# KiCad board Env-F12TKL.kicad_pcb
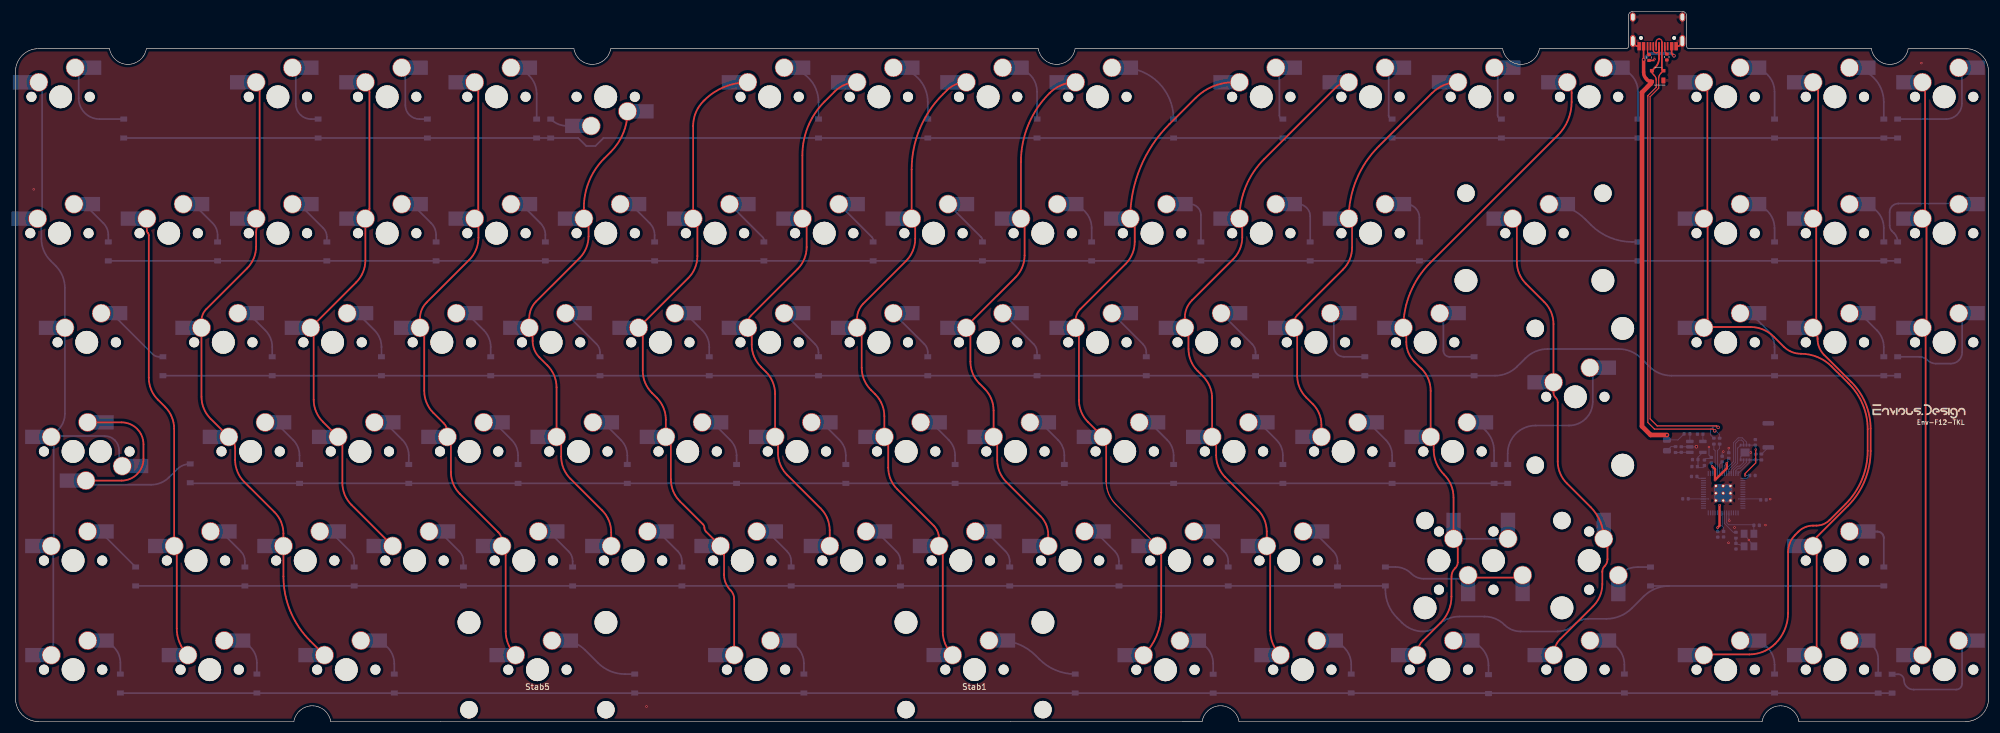
[diagram p0: board, top side]
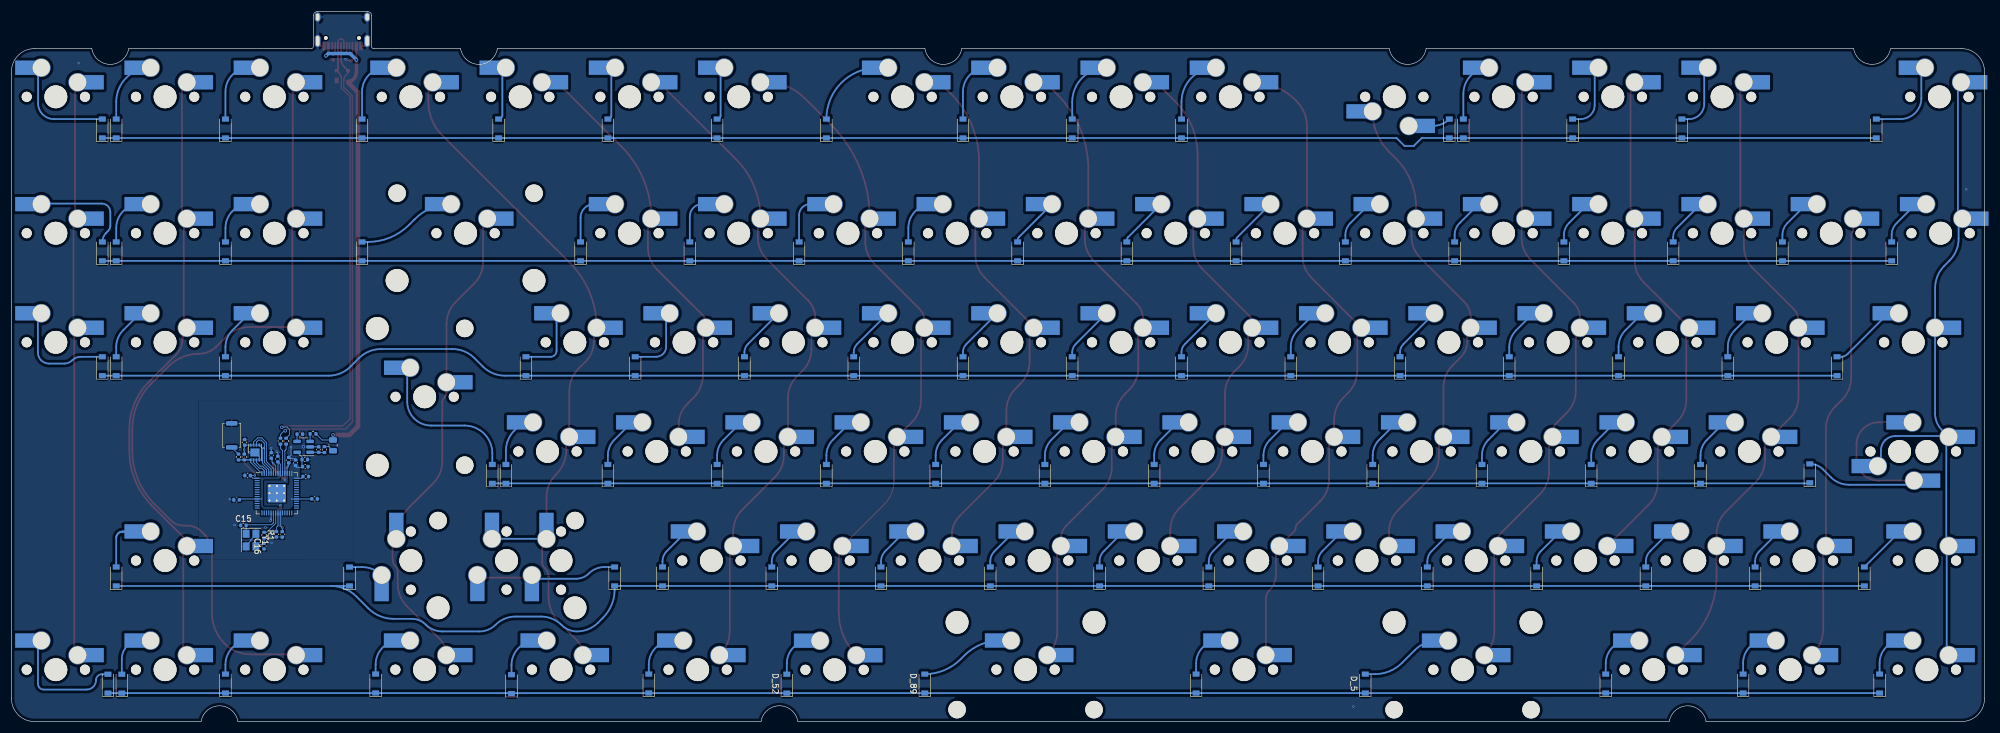
[diagram p1: board, bottom side, seen from below]

Outline 344 x 123.97 mm; copper layers: Top, Bottom. Coordinates in mm from the lower left corner of the outline.
Outline path: 281.21,123.21 arc(281.44,123.75) 281.97,123.97 290.61,123.97 ; 281.21,123.21 281.21,117.86 arc(281.1,117.6) 280.83,117.48 265.7,117.48 arc(262.49,114.73) 259.28,117.48 184.74,117.48 arc(181.53,114.73) 178.32,117.48 103.77,117.48 arc(100.56,114.73) 97.35,117.48 22.81,117.48 arc(19.6,114.73) 16.39,117.48 4.09,117.48 arc(1.17,116.31) 0,113.39 0,4 arc(1.17,1.17) 4,0 48.54,0 arc(51.75,2.75) 54.96,0 173.44,0 206.89,0 arc(210.1,2.75) 213.31,0 304.52,0 arc(307.73,2.75) 310.94,0 340,0 arc(342.83,1.17) 344,4 344,113.48 arc(342.83,116.31) 340,117.48 329.99,117.48 arc(326.78,114.73) 323.57,117.48 291.75,117.48 arc(291.48,117.6) 291.37,117.86 291.37,123.21 arc(291.15,123.75) 290.61,123.97
Stack: Top 0.035mm / dielectric 1.51mm FR4 er 4.5 / Bottom 0.035mm

## Placement (name value [footprint] x y rotation side)
C1  10uf 0402  [C_0402_1005Metric]  290.43 47.49 90 bottom
C2  100nf 0402  [C_0402_1005Metric]  296.78 32.68 270 bottom
C3  100nf 0402  [C_0402_1005Metric]  298.71 46.46 90 bottom
C4  100nf 0402  [C_0402_1005Metric]  292.76 44.51 180 bottom
C5  100nf 0402  [C_0402_1005Metric]  292.68 42.78 180 bottom
C6  100nf 0402  [C_0402_1005Metric]  297.56 45.83 90 bottom
C7  100nf 0402  [C_0402_1005Metric]  291.16 38.88 180 bottom
C8  100nf 0402  [C_0402_1005Metric]  304.76 38.7 0 bottom
C9  100nf 0402  [C_0402_1005Metric]  302.83 42.96 0 bottom
C10  100nf 0402  [C_0402_1005Metric]  297.81 32.71 270 bottom
C11  10uf 0402  [C_0402_1005Metric]  292.86 45.73 180 bottom
C12  1uf 0402  [C_0402_1005Metric]  294.46 45.18 90 bottom
C13  1uf 0402  [C_0402_1005Metric]  295.66 45.64 90 bottom
C14  100nf 0402  [C_0402_1005Metric]  303.34 48.74 90 bottom
C15  22pf 0402  [C_0402_1005Metric]  303.56 34.26 180 bottom
C16  22pf 0402  [C_0402_1005Metric]  299.96 30.61 90 bottom
CBP1  10uf 0402  [C_0402_1005Metric]  293.73 50.18 180 bottom
D18  PRTR5V0U2X  [SOT-143]  286.31 112.68 180 top
D_0  1N4148W  [D_SOD-123]  18.86 103.53 90 bottom
D_1  1N4148W  [D_SOD-123]  52.76 103.53 90 bottom
D_2  1N4148W  [D_SOD-123]  71.81 103.53 90 bottom
D_3  1N4148W  [D_SOD-123]  90.86 103.53 90 bottom
D_4  1N4148W  [D_SOD-123]  93.31 103.53 90 bottom
D_5  1N4148W  [D_SOD-123]  107.96 6.63 90 bottom
D_6  1N4148W  [D_SOD-123]  140 103.53 90 bottom
D_7  1N4148W  [D_SOD-123]  159.05 103.53 90 bottom
D_8  1N4148W  [D_SOD-123]  178.1 103.53 90 bottom
D_9  1N4148W  [D_SOD-123]  201.92 103.53 90 bottom
D_10  1N4148W  [D_SOD-123]  220.97 103.53 90 bottom
D_11  1N4148W  [D_SOD-123]  240.02 103.53 90 bottom
D_12  1N4148W  [D_SOD-123]  259.07 103.53 90 bottom
D_13  1N4148W  [D_SOD-123]  282.88 103.53 90 bottom
D_14  1N4148W  [D_SOD-123]  306.69 103.53 90 bottom
D_15  1N4148W  [D_SOD-123]  325.74 103.53 90 bottom
D_16  1N4148W  [D_SOD-123]  328.16 103.53 90 bottom
D_17  1N4148W  [D_SOD-123]  16.18 82.08 90 bottom
D_18  1N4148W  [D_SOD-123]  35.23 82.08 90 bottom
D_19  1N4148W  [D_SOD-123]  54.28 82.08 90 bottom
D_20  1N4148W  [D_SOD-123]  73.33 82.08 90 bottom
D_21  1N4148W  [D_SOD-123]  92.38 82.08 90 bottom
D_22  1N4148W  [D_SOD-123]  111.43 82.08 90 bottom
D_23  1N4148W  [D_SOD-123]  130.48 82.08 90 bottom
D_24  1N4148W  [D_SOD-123]  149.53 82.08 90 bottom
D_25  1N4148W  [D_SOD-123]  168.58 82.08 90 bottom
D_26  1N4148W  [D_SOD-123]  187.63 82.08 90 bottom
D_27  1N4148W  [D_SOD-123]  206.68 82.08 90 bottom
D_28  1N4148W  [D_SOD-123]  225.73 82.08 90 bottom
D_29  1N4148W  [D_SOD-123]  244.78 82.08 90 bottom
D_30  1N4148W  [D_SOD-123]  282.88 82.08 90 bottom
D_31  1N4148W  [D_SOD-123]  306.69 82.08 90 bottom
D_32  1N4148W  [D_SOD-123]  325.74 82.08 90 bottom
D_33  1N4148W  [D_SOD-123]  328.16 82.08 90 bottom
D_34  1N4148W  [D_SOD-123]  25.7 62.03 90 bottom
D_35  1N4148W  [D_SOD-123]  44.75 62.03 90 bottom
D_36  1N4148W  [D_SOD-123]  63.8 62.03 90 bottom
D_37  1N4148W  [D_SOD-123]  82.85 62.03 90 bottom
D_38  1N4148W  [D_SOD-123]  101.9 62.03 90 bottom
D_39  1N4148W  [D_SOD-123]  120.95 62.03 90 bottom
D_40  1N4148W  [D_SOD-123]  140 62.03 90 bottom
D_41  1N4148W  [D_SOD-123]  159.05 62.03 90 bottom
D_42  1N4148W  [D_SOD-123]  178.1 62.03 90 bottom
D_43  1N4148W  [D_SOD-123]  197.15 62.03 90 bottom
D_44  1N4148W  [D_SOD-123]  216.2 62.03 90 bottom
D_45  1N4148W  [D_SOD-123]  235.25 62.03 90 bottom
D_46  1N4148W  [D_SOD-123]  254.3 62.03 90 bottom
D_47  1N4148W  [D_SOD-123]  260.17 43.23 90 bottom
D_48  1N4148W  [D_SOD-123]  306.69 62.03 90 bottom
D_49  1N4148W  [D_SOD-123]  325.74 62.03 90 bottom
D_50  1N4148W  [D_SOD-123]  328.16 62.03 90 bottom
D_51  1N4148W  [D_SOD-123]  30.46 43.33 90 bottom
D_52  1N4148W  [D_SOD-123]  208.81 6.61 90 bottom
D_53  1N4148W  [D_SOD-123]  49.52 43.23 90 bottom
D_54  1N4148W  [D_SOD-123]  68.57 43.23 90 bottom
D_55  1N4148W  [D_SOD-123]  87.62 43.23 90 bottom
D_56  1N4148W  [D_SOD-123]  106.67 43.23 90 bottom
D_57  1N4148W  [D_SOD-123]  125.72 43.23 90 bottom
D_58  1N4148W  [D_SOD-123]  144.77 43.23 90 bottom
D_59  1N4148W  [D_SOD-123]  163.82 43.23 90 bottom
D_60  1N4148W  [D_SOD-123]  182.87 43.23 90 bottom
D_61  1N4148W  [D_SOD-123]  201.92 43.23 90 bottom
D_62  1N4148W  [D_SOD-123]  220.97 43.23 90 bottom
D_63  1N4148W  [D_SOD-123]  240.02 43.23 90 bottom
D_64  1N4148W  [D_SOD-123]  257.79 43.23 90 bottom
D_65  1N4148W  [D_SOD-123]  20.94 25.33 90 bottom
D_66  1N4148W  [D_SOD-123]  39.99 25.33 90 bottom
D_67  1N4148W  [D_SOD-123]  59.04 25.33 90 bottom
D_68  1N4148W  [D_SOD-123]  78.09 25.33 90 bottom
D_69  1N4148W  [D_SOD-123]  97.14 25.33 90 bottom
D_70  1N4148W  [D_SOD-123]  116.19 25.33 90 bottom
D_71  1N4148W  [D_SOD-123]  135.24 25.33 90 bottom
D_72  1N4148W  [D_SOD-123]  154.29 25.33 90 bottom
D_73  1N4148W  [D_SOD-123]  173.34 25.33 90 bottom
D_74  1N4148W  [D_SOD-123]  192.39 25.33 90 bottom
D_75  1N4148W  [D_SOD-123]  211.44 25.33 90 bottom
D_76  1N4148W  [D_SOD-123]  230.49 25.33 90 bottom
D_77  1N4148W  [D_SOD-123]  238.84 25.33 90 bottom
D_78  1N4148W  [D_SOD-123]  325.74 25.33 90 bottom
D_79  1N4148W  [D_SOD-123]  18.28 6.63 90 bottom
D_80  1N4148W  [D_SOD-123]  42.08 6.63 90 bottom
D_81  1N4148W  [D_SOD-123]  66.04 6.63 90 bottom
D_82  1N4148W  [D_SOD-123]  137.46 6.63 90 bottom
D_83  1N4148W  [D_SOD-123]  232.88 6.64 90 bottom
D_84  1N4148W  [D_SOD-123]  256.82 6.54 90 bottom
D_85  1N4148W  [D_SOD-123]  280.51 6.64 90 bottom
D_86  1N4148W  [D_SOD-123]  306.69 6.63 90 bottom
D_87  1N4148W  [D_SOD-123]  324.76 6.61 90 bottom
D_88  1N4148W  [D_SOD-123]  327.18 6.61 90 bottom
D_89  1N4148W  [D_SOD-123]  184.76 6.63 90 bottom
D_90  1N4148W  [D_SOD-123]  285.06 25.32 90 bottom
F1  0805L050WR  [Fuse_0805_2012Metric]  287.93 48.22 90 bottom
FB1  FerriteBead 0402  [R_0402_1005Metric]  289.43 47.48 270 bottom
FLASH1  W25Q16JVUXIQ  [SON-8-1EP_3x2mm_P0.5mm_EP1.4x1.6mm]  301.54 46.98 90 bottom
J1  TSA343G00-250J2  [SW_Push_SPST_NO_Alps_SKRK]  305.6 49.96 90 bottom
K_0  KEYSW  [MXOnly-1U-Hotswap-Modified]  7.86 109.07 0 top
K_1  KEYSW  [MXOnly-1U-Hotswap-Modified]  45.75 109.07 0 top
K_2  KEYSW  [MXOnly-1U-Hotswap-Modified]  64.8 109.07 0 top
K_3  KEYSW  [MXOnly-1U-Hotswap-Modified]  83.85 109.07 0 top
K_4  KEYSW  [MXOnly-1U-Hotswap-Modified]  102.9 109.07 180 top
K_5  KEYSW  [MXOnly-1U-Hotswap-Modified]  91 9.05 0 top
K_6  KEYSW  [MXOnly-1U-Hotswap-Modified]  131.48 109.07 0 top
K_7  KEYSW  [MXOnly-1U-Hotswap-Modified]  150.53 109.07 0 top
K_8  KEYSW  [MXOnly-1U-Hotswap-Modified]  169.58 109.07 0 top
K_9  KEYSW  [MXOnly-1U-Hotswap-Modified]  188.63 109.07 0 top
K_10  KEYSW  [MXOnly-1U-Hotswap-Modified]  217.2 109.07 0 top
K_11  KEYSW  [MXOnly-1U-Hotswap-Modified]  236.25 109.07 0 top
K_12  KEYSW  [MXOnly-1U-Hotswap-Modified]  255.3 109.07 0 top
K_13  KEYSW  [MXOnly-1U-Hotswap-Modified]  274.35 109.07 0 top
K_14  KEYSW  [MXOnly-1U-Hotswap-Modified]  298.17 109.07 0 top
K_15  KEYSW  [MXOnly-1U-Hotswap-Modified]  317.22 109.07 0 top
K_16  KEYSW  [MXOnly-1U-Hotswap-Modified]  336.27 109.07 0 top
K_17  KEYSW  [MXOnly-1U-Hotswap-Modified]  7.65 85.26 0 top
K_18  KEYSW  [MXOnly-1U-Hotswap-Modified]  26.7 85.26 0 top
K_19  KEYSW  [MXOnly-1U-Hotswap-Modified]  45.75 85.26 0 top
K_20  KEYSW  [MXOnly-1U-Hotswap-Modified]  64.8 85.26 0 top
K_21  KEYSW  [MXOnly-1U-Hotswap-Modified]  83.85 85.26 0 top
K_22  KEYSW  [MXOnly-1U-Hotswap-Modified]  102.9 85.26 0 top
K_23  KEYSW  [MXOnly-1U-Hotswap-Modified]  121.95 85.26 0 top
K_24  KEYSW  [MXOnly-1U-Hotswap-Modified]  141 85.26 0 top
K_25  KEYSW  [MXOnly-1U-Hotswap-Modified]  160.05 85.26 0 top
K_26  KEYSW  [MXOnly-1U-Hotswap-Modified]  179.1 85.26 0 top
K_27  KEYSW  [MXOnly-1U-Hotswap-Modified]  198.15 85.26 0 top
K_28  KEYSW  [MXOnly-1U-Hotswap-Modified]  217.2 85.26 0 top
K_29  KEYSW  [MXOnly-1U-Hotswap-Modified]  236.25 85.26 0 top
K_30  KEYSW  [MXOnly-1U-Hotswap-Modified]  264.83 85.26 0 top
K_31  KEYSW  [MXOnly-1U-Hotswap-Modified]  298.17 85.26 0 top
K_32  KEYSW  [MXOnly-1U-Hotswap-Modified]  317.22 85.26 0 top
K_33  KEYSW  [MXOnly-1U-Hotswap-Modified]  336.27 85.26 0 top
K_34  KEYSW  [MXOnly-1U-Hotswap-Modified]  12.42 66.21 0 top
K_35  KEYSW  [MXOnly-1U-Hotswap-Modified]  36.23 66.21 0 top
K_36  KEYSW  [MXOnly-1U-Hotswap-Modified]  55.28 66.21 0 top
K_37  KEYSW  [MXOnly-1U-Hotswap-Modified]  74.33 66.21 0 top
K_38  KEYSW  [MXOnly-1U-Hotswap-Modified]  93.38 66.21 0 top
K_39  KEYSW  [MXOnly-1U-Hotswap-Modified]  112.43 66.21 0 top
K_40  KEYSW  [MXOnly-1U-Hotswap-Modified]  131.48 66.21 0 top
K_41  KEYSW  [MXOnly-1U-Hotswap-Modified]  150.53 66.21 0 top
K_42  KEYSW  [MXOnly-1U-Hotswap-Modified]  169.58 66.21 0 top
K_43  KEYSW  [MXOnly-1U-Hotswap-Modified]  188.63 66.21 0 top
K_44  KEYSW  [MXOnly-1U-Hotswap-Modified]  207.68 66.21 0 top
K_45  KEYSW  [MXOnly-1U-Hotswap-Modified]  226.73 66.21 0 top
K_46  KEYSW  [MXOnly-1U-Hotswap-Modified]  245.78 66.21 0 top
K_47  KEYSW  [MXOnly-1U-Hotswap-Modified]  271.96 56.69 0 top
K_48  KEYSW  [MXOnly-1U-Hotswap-Modified]  298.17 66.21 0 top
K_49  KEYSW  [MXOnly-1U-Hotswap-Modified]  317.22 66.21 0 top
K_50  KEYSW  [MXOnly-1U-Hotswap-Modified]  336.27 66.21 0 top
K_51  KEYSW  [MXOnly-1U-Hotswap-Modified]  14.8 47.14 180 top
K_52  KEYSW  [MXOnly-1U-Hotswap-Modified]  10.03 47.16 0 top
K_53  KEYSW  [MXOnly-1U-Hotswap-Modified]  40.99 47.16 0 top
K_54  KEYSW  [MXOnly-1U-Hotswap-Modified]  60.04 47.16 0 top
K_55  KEYSW  [MXOnly-1U-Hotswap-Modified]  79.09 47.16 0 top
K_56  KEYSW  [MXOnly-1U-Hotswap-Modified]  98.14 47.16 0 top
K_57  KEYSW  [MXOnly-1U-Hotswap-Modified]  117.19 47.16 0 top
K_58  KEYSW  [MXOnly-1U-Hotswap-Modified]  136.24 47.16 0 top
K_59  KEYSW  [MXOnly-1U-Hotswap-Modified]  155.29 47.16 0 top
K_60  KEYSW  [MXOnly-1U-Hotswap-Modified]  174.34 47.16 0 top
K_61  KEYSW  [MXOnly-1U-Hotswap-Modified]  193.39 47.16 0 top
K_62  KEYSW  [MXOnly-1U-Hotswap-Modified]  212.44 47.16 0 top
K_63  KEYSW  [MXOnly-1U-Hotswap-Modified]  231.49 47.16 0 top
K_64  KEYSW  [MXOnly-1U-Hotswap-Modified]  250.54 47.16 0 top
K_65  KEYSW  [MXOnly-1U-Hotswap-Modified]  10.03 28.11 0 top
K_66  KEYSW  [MXOnly-1U-Hotswap-Modified]  31.47 28.11 0 top
K_67  KEYSW  [MXOnly-1U-Hotswap-Modified]  50.52 28.11 0 top
K_68  KEYSW  [MXOnly-1U-Hotswap-Modified]  69.57 28.11 0 top
K_69  KEYSW  [MXOnly-1U-Hotswap-Modified]  88.62 28.11 0 top
K_70  KEYSW  [MXOnly-1U-Hotswap-Modified]  107.67 28.11 0 top
K_71  KEYSW  [MXOnly-1U-Hotswap-Modified]  126.72 28.11 0 top
K_72  KEYSW  [MXOnly-1U-Hotswap-Modified]  145.77 28.11 0 top
K_73  KEYSW  [MXOnly-1U-Hotswap-Modified]  164.82 28.11 0 top
K_74  KEYSW  [MXOnly-1U-Hotswap-Modified]  183.87 28.11 0 top
K_75  KEYSW  [MXOnly-1U-Hotswap-Modified]  202.92 28.11 0 top
K_76  KEYSW  [MXOnly-1U-Hotswap-Modified]  221.97 28.11 0 top
K_77  KEYSW  [MXOnly-1U-Hotswap-Modified]  257.68 28.11 270 top
K_78  KEYSW  [MXOnly-1U-Hotswap-Modified]  317.22 28.11 0 top
K_79  KEYSW  [MXOnly-1U-Hotswap-Modified]  10.04 9.06 0 top
K_80  KEYSW  [MXOnly-1U-Hotswap-Modified]  33.86 9.06 0 top
K_81  KEYSW  [MXOnly-1U-Hotswap-Modified]  57.67 9.06 0 top
K_82  KEYSW  [MXOnly-1U-Hotswap-Modified]  129.11 9.06 0 top
K_83  KEYSW  [MXOnly-1U-Hotswap-Modified]  224.36 9.06 0 top
K_84  KEYSW  [MXOnly-1U-Hotswap-Modified]  248.17 9.06 0 top
K_85  KEYSW  [MXOnly-1U-Hotswap-Modified]  271.98 9.06 0 top
K_86  KEYSW  [MXOnly-1U-Hotswap-Modified]  298.17 9.06 0 top
K_87  KEYSW  [MXOnly-1U-Hotswap-Modified]  317.22 9.06 0 top
K_88  KEYSW  [MXOnly-1U-Hotswap-Modified]  336.27 9.06 0 top
K_89  KEYSW  [MXOnly-1U-Hotswap-Modified]  248.18 28.09 270 top
K_90  KEYSW  [MXOnly-1U-Hotswap-Modified]  274.37 28.09 270 top
K_91  KEYSW  [MXOnly-1U-Hotswap-Modified]  200.49 9.04 0 top
K_92  KEYSW  [MXOnly-1U-Hotswap-Modified]  167.19 9.07 0 top
kibuzzard-638CF1A9  G***  [kibuzzard-638CF1A9]  331.87 54.14 0 top
R1  1K 0402  [R_0402_1005Metric]  299.96 32.53 270 bottom
R4  100K 0402  [R_0402_1005Metric]  291.42 50.23 180 bottom
R6  27r 0402 resistor  [R_0402_1005Metric]  297.11 48.96 270 bottom
R7  27r 0402 resistor  [R_0402_1005Metric]  296.11 48.96 270 bottom
R8  10K 0402  [R_0402_1005Metric]  303.41 46.19 270 bottom
R9  1K 0402  [R_0402_1005Metric]  304.41 46.19 90 bottom
R_USB1  5k1 0402  [R_0402_1005Metric]  284.81 115.93 90 top
R_USB2  5k1 0402  [R_0402_1005Metric]  287.91 116.02 90 top
Stab1  Stabiliser  [Stabilizer_Cherry_MX_2u]  167.19 9.07 180 top
Stab2  Stabiliser  [Stabilizer_Cherry_MX_2u]  271.96 56.69 90 top
Stab3  Stabiliser  [Stabilizer_Cherry_MX_2u]  264.83 85.26 0 top
Stab4  Stabiliser  [Stabilizer_Cherry_MX_2u]  257.68 28.11 0 top
Stab5  Stabiliser  [Stabilizer_Cherry_MX_2u]  91 9.05 180 top
U1  SOT-23-5 5.5V 3.3V 500mA  [SOT-23-5]  293.06 47.96 0 bottom
U2  RP2040  [RP2040-QFN-56]  297.74 39.86 180 bottom
USB1  HRO-TYPE-C-31-M-12  [HRO-TYPE-C-31-M-12-Assembly]  286.3 125.59 180 top
Y1  3225_4P  [Crystal_SMD_3225-4Pin_3.2x2.5mm]  302.23 31.68 270 bottom

## Library data of the parts
U2 = -: LCSC: C2040

## Footprints (pads in the part's own frame, mm; a bottom-side part is the same pattern mirrored in y, then rotated)
C_0402_1005Metric
  rrect 0.56x0.62 smd: 1(-0.48,0) 2(0.48,0)
Crystal_SMD_3225-4Pin_3.2x2.5mm
  rect 1.4x1.2 smd: 1(-1.1,-0.85) 2(1.1,-0.85) 3(1.1,0.85) 4(-1.1,0.85)
D_SOD-123
  rect 0.9x1.2 smd: 1(-1.65,0) 2(1.65,0)
Fuse_0805_2012Metric
  rrect 0.975x1.4 smd: 1(-0.938,0) 2(0.938,0)
HRO-TYPE-C-31-M-12-Assembly
  round 0.65 hole 0.65 unplated: (-2.89,6.25) (2.89,6.25)
  rect 0.6x1.45 smd: 1(-3.225,7.695) 2(-2.45,7.695) 11(2.45,7.695) 12(3.225,7.695)
  rect 0.3x1.45 smd: 3(-1.75,7.695) 4(-1.25,7.695) 5(-0.75,7.695) 6(-0.25,7.695) 7(0.25,7.695) 8(0.75,7.695) 9(1.25,7.695) 10(1.75,7.695)
  oval 1x2.1 hole 0.6x1.7: 13(-4.32,6.78) 13(4.32,6.78)
  oval 1x1.6 hole 0.6x1.2: 13(-4.32,2.6) 13(4.32,2.6)
MXOnly-1U-Hotswap-Modified
  rect 2.55x2.5 smd: (-7.085,2.54) (5.815,5.08)
  round 1.75 hole 1.75 unplated: (-5.08,0) (5.08,0)
  round 3.988 hole 3.988 unplated: (0,0)
  rect 5.5x2.5 smd far side: 1(-5.61,2.54) 2(4.34,5.08)
  round 3.25 hole 3: 1(-3.81,2.54) 2(2.54,5.08)
R_0402_1005Metric
  rrect 0.54x0.64 smd: 1(-0.51,0) 2(0.51,0)
RP2040-QFN-56
  rrect 1.084x1.084 smd: (-0.637,-0.637) (-0.637,0.637) (0.637,-0.637) (0.637,0.637)
  rrect 0.875x0.2 smd: 1(-3.438,2.6) 2(-3.438,2.2) 3(-3.438,1.8) 4(-3.438,1.4) 5(-3.438,1) 6(-3.438,0.6) 7(-3.438,0.2) 8(-3.438,-0.2) 9(-3.438,-0.6) 10(-3.438,-1) 11(-3.438,-1.4) 12(-3.438,-1.8) 13(-3.438,-2.2) 14(-3.438,-2.6) 29(3.438,-2.6) 30(3.438,-2.2) 31(3.438,-1.8) 32(3.438,-1.4) 33(3.438,-1) 34(3.438,-0.6) 35(3.438,-0.2) 36(3.438,0.2) 37(3.438,0.6) 38(3.438,1) 39(3.438,1.4) 40(3.438,1.8) 41(3.438,2.2) 42(3.438,2.6)
  rrect 0.2x0.875 smd: 15(-2.6,-3.438) 16(-2.2,-3.438) 17(-1.8,-3.438) 18(-1.4,-3.438) 19(-1,-3.438) 20(-0.6,-3.438) 21(-0.2,-3.438) 22(0.2,-3.438) 23(0.6,-3.438) 24(1,-3.438) 25(1.4,-3.438) 26(1.8,-3.438) 27(2.2,-3.438) 28(2.6,-3.438) 43(2.6,3.438) 44(2.2,3.438) 45(1.8,3.438) 46(1.4,3.438) 47(1,3.438) 48(0.6,3.438) 49(0.2,3.438) 50(-0.2,3.438) 51(-0.6,3.438) 52(-1,3.438) 53(-1.4,3.438) 54(-1.8,3.438) 55(-2.2,3.438) 56(-2.6,3.438)
  round 0.6 hole 0.35: 57(-1.275,-1.275) 57(-1.275,0) 57(-1.275,1.275) 57(0,-1.275) 57(0,0) 57(0,1.275) 57(1.275,-1.275) 57(1.275,0) 57(1.275,1.275)
  rrect 3.2x3.2 smd: 57(0,0)
SON-8-1EP_3x2mm_P0.5mm_EP1.4x1.6mm
  rrect 0.56x0.64 smd: (-0.35,-0.4) (-0.35,0.4) (0.35,-0.4) (0.35,0.4)
  rrect 0.525x0.35 smd: 1(-1.288,0.75) 2(-1.288,0.25) 3(-1.288,-0.25) 4(-1.288,-0.75) 5(1.288,-0.75) 6(1.288,-0.25) 7(1.288,0.25) 8(1.288,0.75)
  rect 1.4x1.6 smd: 9(0,0)
SOT-23-5
  rrect 1.325x0.6 smd: 1(-1.137,0.95) 2(-1.137,0) 3(-1.137,-0.95) 4(1.137,-0.95) 5(1.137,0.95)
SOT-143
  rect 0.7x1 smd: 1(-1,0.75)
  rect 0.7x0.6 smd: 2(-1,-0.95) 3(1,-0.95) 4(1,0.95)
Stabilizer_Cherry_MX_2u
  round 3.048 hole 3.048 unplated: (-11.938,6.985) (11.938,6.985)
  round 3.988 hole 3.988 unplated: (-11.938,-8.255) (11.938,-8.255)
SW_Push_SPST_NO_Alps_SKRK
  rrect 0.8x2 smd: 1(-2.1,0) 2(2.1,0)

## Nets
3V3_EN: R4.1 U1.3
+1V1: C2.1 C3.1 C13.1 U2.23 U2.45 U2.50
+3V3: C4.1 C5.1 C6.1 C7.1 C8.1 C9.1 C10.1 C11.1 C12.1 C14.1 FLASH1.8 R8.1 U1.5 U2.1 U2.10 U2.22 U2.33 U2.42 U2.43 U2.44 U2.48 U2.49
GND: C1.2 C2.2 C3.2 C4.2 C5.2 C6.2 C7.2 C8.2 C9.2 C10.2 C11.2 C12.2 C13.2 C14.2 C15.1 C16.1 CBP1.2 D18.1 FLASH1.4 FLASH1.9 J1.2 R_USB1.1 R_USB2.1 U1.2 U2.19 U2.57 USB1.1 USB1.12 USB1.13 Y1.2 Y1.4
VBUS: D18.4 F1.2 R4.2 USB1.2 USB1.11
/GPIO0: U2.2
/GPIO1: U2.3
/GPIO2: U2.4
/GPIO3: U2.5
/GPIO4: U2.6
/GPIO5: U2.7
/GPIO6: U2.8
/GPIO7: U2.9
/GPIO8: U2.11
/GPIO9: U2.12
/GPIO10: U2.13
/GPIO11: U2.14
/GPIO12: U2.15
/GPIO13: U2.16
/GPIO14: U2.17
/GPIO15: U2.18
/GPIO16: U2.27
/GPIO17: U2.28
/GPIO18: U2.29
/GPIO19: U2.30
/GPIO20: U2.31
/GPIO21: U2.32
/GPIO22: U2.34
/GPIO23: U2.35
/GPIO24: U2.36
/GPIO25: U2.37
/GPIO26_ADC0: U2.38
/GPIO27_ADC1: U2.39
/GPIO28_ADC2: U2.40
/GPIO29_ADC3: U2.41
/QSPI_SCLK: FLASH1.6 U2.52
/QSPI_SD0: FLASH1.5 U2.53
/QSPI_SD1: FLASH1.2 U2.55
/QSPI_SD2: FLASH1.3 U2.54
/QSPI_SD3: FLASH1.7 U2.51
/QSPI_SS: FLASH1.1 R8.2 R9.1 U2.56
/RUN: U2.26
/SWCLK: U2.24
/SWD: U2.25
/USB_D+: D18.3 R6.1 USB1.6 USB1.8
/USB_D-: D18.2 R7.1 USB1.5 USB1.7
/~{USB_BOOT}: J1.1 R9.2
col0: K_0.1 K_17.1 K_34.1 K_51.1 K_52.1 K_65.1 K_79.1
col1: K_18.1 K_66.1 K_80.1
col2: K_1.1 K_19.1 K_35.1 K_53.1 K_67.1 K_81.1
col3: K_2.1 K_20.1 K_36.1 K_54.1 K_68.1
col4: K_3.1 K_5.1 K_21.1 K_37.1 K_55.1 K_69.1
col5: K_4.1 K_22.1 K_38.1 K_56.1 K_70.1
col6: K_6.1 K_23.1 K_39.1 K_57.1 K_71.1 K_82.1
col7: K_7.1 K_24.1 K_40.1 K_58.1 K_72.1
col8: K_8.1 K_25.1 K_41.1 K_59.1 K_73.1 K_92.1
col9: K_9.1 K_26.1 K_42.1 K_60.1 K_74.1
col10: K_10.1 K_27.1 K_43.1 K_61.1 K_75.1 K_91.1
col11: K_11.1 K_28.1 K_44.1 K_62.1 K_76.1 K_83.1
col12: K_12.1 K_29.1 K_45.1 K_63.1
col13: K_13.1 K_46.1 K_64.1 K_77.1 K_84.1 K_89.1
col14: K_30.1 K_47.1 K_85.1 K_90.1
col15: K_14.1 K_31.1 K_48.1 K_86.1
col16: K_15.1 K_32.1 K_49.1 K_78.1 K_87.1
col17: K_16.1 K_33.1 K_50.1 K_88.1
row0: D_0.1 D_1.1 D_2.1 D_3.1 D_4.1 D_6.1 D_7.1 D_8.1 D_9.1 D_10.1 D_11.1 D_12.1 D_13.1 D_14.1 D_15.1 D_16.1
row1: D_17.1 D_18.1 D_19.1 D_20.1 D_21.1 D_22.1 D_23.1 D_24.1 D_25.1 D_26.1 D_27.1 D_28.1 D_29.1 D_30.1 D_31.1 D_32.1 D_33.1
row2: D_34.1 D_35.1 D_36.1 D_37.1 D_38.1 D_39.1 D_40.1 D_41.1 D_42.1 D_43.1 D_44.1 D_45.1 D_46.1 D_48.1 D_49.1 D_50.1
row3: D_47.1 D_51.1 D_53.1 D_54.1 D_55.1 D_56.1 D_57.1 D_58.1 D_59.1 D_60.1 D_61.1 D_62.1 D_63.1 D_64.1
row4: D_65.1 D_66.1 D_67.1 D_68.1 D_69.1 D_70.1 D_71.1 D_72.1 D_73.1 D_74.1 D_75.1 D_76.1 D_77.1 D_78.1 D_90.1
row5: D_5.1 D_52.1 D_79.1 D_80.1 D_81.1 D_82.1 D_83.1 D_84.1 D_85.1 D_86.1 D_87.1 D_88.1 D_89.1
XIN: C15.2 U2.20 Y1.1
XOUT: R1.1 U2.21
Net-(C1-Pad1): C1.1 FB1.2 U1.1
Net-(C16-Pad2): C16.2 R1.2 Y1.3
Net-(CBP1-Pad1): CBP1.1 U1.4
Net-(D_0-Pad2): D_0.2 K_0.2
Net-(D_1-Pad2): D_1.2 K_1.2
Net-(D_2-Pad2): D_2.2 K_2.2
Net-(D_3-Pad2): D_3.2 K_3.2
Net-(D_4-Pad2): D_4.2 K_4.2
Net-(D_5-Pad2): D_5.2 K_5.2
Net-(D_6-Pad2): D_6.2 K_6.2
Net-(D_7-Pad2): D_7.2 K_7.2
Net-(D_8-Pad2): D_8.2 K_8.2
Net-(D_9-Pad2): D_9.2 K_9.2
Net-(D_10-Pad2): D_10.2 K_10.2
Net-(D_11-Pad2): D_11.2 K_11.2
Net-(D_12-Pad2): D_12.2 K_12.2
Net-(D_13-Pad2): D_13.2 K_13.2
Net-(D_14-Pad2): D_14.2 K_14.2
Net-(D_15-Pad2): D_15.2 K_15.2
Net-(D_16-Pad2): D_16.2 K_16.2
Net-(D_17-Pad2): D_17.2 K_17.2
Net-(D_18-Pad2): D_18.2 K_18.2
Net-(D_19-Pad2): D_19.2 K_19.2
Net-(D_20-Pad2): D_20.2 K_20.2
Net-(D_21-Pad2): D_21.2 K_21.2
Net-(D_22-Pad2): D_22.2 K_22.2
Net-(D_23-Pad2): D_23.2 K_23.2
Net-(D_24-Pad2): D_24.2 K_24.2
Net-(D_25-Pad2): D_25.2 K_25.2
Net-(D_26-Pad2): D_26.2 K_26.2
Net-(D_27-Pad2): D_27.2 K_27.2